# KiCad board Womo.kicad_pcb (continued)
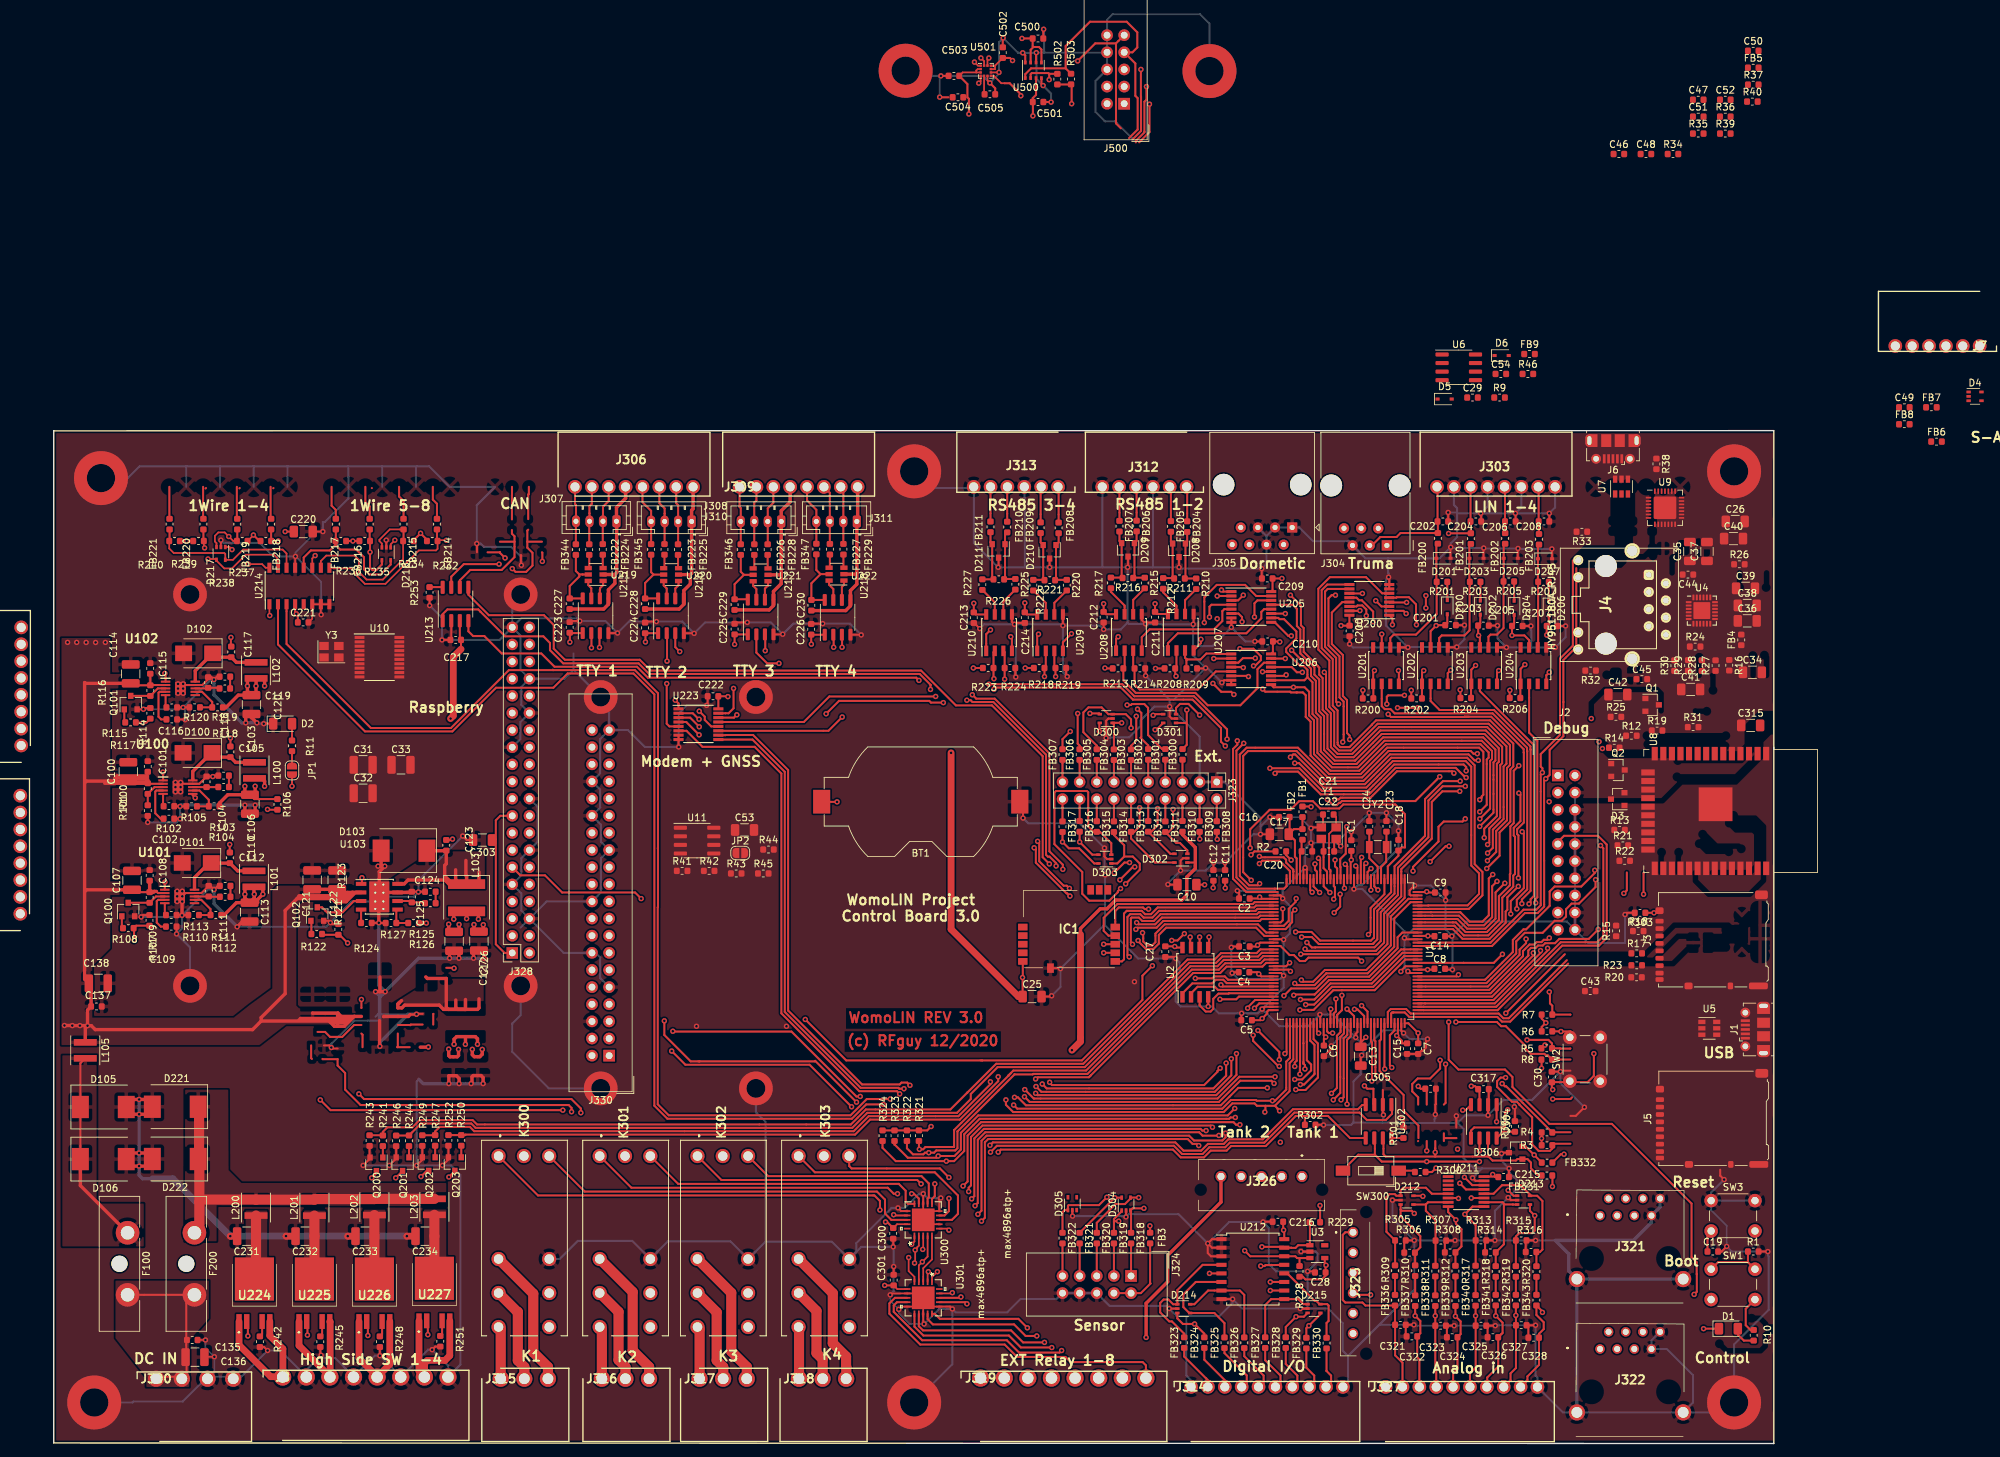
[diagram p0: board, top side]
## Nets (continued)
ESP_CAN_TX: U8.26 U304.1
ESP_DTR: Q2.3 R13.2 R15.2 R38.1
ESP_EN: C41.1 Q1.3 R25.2 U8.3
ESP_Enable: U1.48
ESP_GPIO0: D3.1 U8.25
ESP_Reset: U1.47
ESP_RTS: Q1.2 R12.2 R14.2 R35.1
ESP_RX: R37.1 U8.34
ESP_SD_CS: J3.1 R16.2 U8.9
ESP_SD_DI: J3.3 R18.2 U8.23
ESP_SD_DO: D3.2 R19.2 R23.2 U8.24
ESP_SD_SCLK: R22.2 U8.13
ESP_TX: R36.1 U8.35
G1: C227.1 J306.4 J307.1 U215.5 U219.2
G2: C228.1 J306.8 J308.1 U216.5 U220.2
G3: C229.1 J309.4 J310.1 U217.5 U221.2
G4: C230.1 J309.8 J311.1 U218.5 U222.2
HSS_1: J8.1 U224.1 U224.5
HSS_1_EN: R241.2 R243.1 U1.54
HSS_2: J8.3 U225.1 U225.5
HSS_2_EN: R244.2 R246.1 U1.55
HSS_3: J8.5 U226.1 U226.5
HSS_3_EN: R247.2 R249.1 U1.141
HSS_4: J8.7 U227.1 U227.5
HSS_4_EN: R250.2 R252.1 U1.142
I2C1_SCL: D4.4 D303.5 FB6.2 FB317.2 U1.129
I2C1_SDA: D4.3 D303.4 FB7.2 FB316.2 U1.128
I2C2_SCL: R228.2 U1.74 U3.1 U211.13 U212.14 U214.2
I2C2_SDA: R229.2 U1.75 U3.3 U211.14 U212.15 U214.3
I2C3_SCL: D304.5 FB321.1 J500.7 R503.2 U1.26 U500.4 U501.1
I2C3_SDA: D305.1 FB322.1 J500.9 R502.2 U1.27 U500.3 U501.4
INT_1_XL: D304.4 FB320.1 J500.5 U1.4 U501.12
INt_2_XL: D304.3 FB318.1 J500.1 U1.2 U501.11
INT_MAG_DRDY: D304.1 FB319.1 J500.3 U1.3 U501.7
IO_INT: U1.1 U212.13
JTAG_RES: J2.3 U1.134
JTAG_TCK: J2.9 U1.109
JTAG_TDI: J2.5 U1.110
JTAG_TDO: J2.13 U1.133
JTAG_TMS: J2.7 U1.105
K1_COM: J315.2 K300.11
K1_NC: J315.3 K300.12
K1_NO: J315.1 K300.14
K1_RESET: K300.A1 U300.17
K1_SET: K300.A2 U300.18
K1_STATUS: K300.21 R321.1 U1.56
K2_COM: J316.2 K301.11
K2_NC: J316.3 K301.12
K2_NO: J316.1 K301.14
K2_RESET: K301.A1 U300.14
K2_SET: K301.A2 U300.15
K2_STATUS: K301.21 R322.1 U1.57
K3_COM: J317.2 K302.11
K3_NC: J317.3 K302.12
K3_NO: J317.1 K302.14
K3_RESET: K302.A1 U300.11
K3_SET: K302.A2 U300.12
K3_STATUS: K302.21 R323.1 U1.87
K4_COM: J318.2 K303.11
K4_NC: J318.3 K303.12
K4_NO: J318.1 K303.14
K4_RESET: K303.A1 U300.8
K4_SET: K303.A2 U300.9
K4_STATUS: K303.21 R324.1 U1.88
LIN1: C202.1 FB200.1 J303.1
LIN2: C204.1 FB201.1 J303.3 J305.2
LIN3: C206.1 FB202.1 J303.5
LIN4: C208.1 FB203.1 J303.7
LIN5: C54.1 FB9.1 J304.3
LIN_SEL_A0: U1.123 U200.10
LIN_SEL_A1: U1.77 U200.9
LIN_SEL_EN: U1.78 U200.6
LPUART_RTS_DE_RS485: U1.73 U206.3
LPUART_RX_RS485: U1.69 U205.13
LPUART_TX_RS485: U1.70 U205.3
MDC(RMII): U4.11 U8.37
MDIO(RMII): R31.2 U4.10 U8.30
P0: D214.1 FB323.2 U212.4
P1: D214.3 FB324.2 U212.5
P2: D214.4 FB325.2 U212.6
P3: D214.5 FB326.2 U212.7
P4: D215.1 FB327.2 U212.9
P5: D215.3 FB328.2 U212.10
P6: D215.4 FB329.2 U212.11
P7: D215.5 FB330.2 U212.12
PF0: D301.1 FB300.2 U1.10
PF1: D301.3 FB301.2 U1.11
PF2: D301.4 FB302.2 U1.12
PF3: D301.5 FB303.2 U1.13
PF4: D300.1 FB304.2 U1.14
PF5: D300.3 FB305.2 U1.15
PF6: D300.4 FB306.2 U1.18
PF7: D300.5 FB307.2 U1.19
PF8: D302.3 FB311.2 U1.20
PF9: D302.4 FB312.2 U1.21
PF10: D302.5 FB313.2 U1.22
PF11: D303.1 FB314.2 U1.49
PF12: D303.3 FB315.2 U1.50
PWR_Reset: R2.1 R106.2 U100.6
QSPI_CLK: U1.63 U2.6
QSPI_D0: U1.65 U2.5
QSPI_D1: U1.66 U2.2
QSPI_D2: U1.67 U2.3
QSPI_D3: U1.68 U2.7
QSPI_NCS: U1.64 U2.1
Rasp_down: R41.2 U1.122
Rasp_Shutdown: R42.2 U1.119
RASPI_3V3: C52.2 C53.1 C303.1 J328.1 J328.17 J330.1 J330.17 R43.1 R44.1 R45.1 U10.20 U11.8
RASPI_GPIO2_SDA: J328.3 J330.3
RASPI_GPIO3_SCL: J328.5 J330.5
RASPI_GPIO4_GCLK0: J328.7 J330.7
RASPI_GPIO5_GCLK1: J328.29 J330.29
RASPI_GPIO6_GCLK2: J328.31 J330.31
RASPI_GPIO7_CE1: J328.26 J330.26
RASPI_GPIO8_CE0: J328.24 J330.24 U10.18
RASPI_GPIO9_MISO0: J328.21 J330.21 U10.17
RASPI_GPIO10_MOSI0: J328.19 J330.19 U10.16
RASPI_GPIO11_SCLK0: J328.23 J330.23 U10.14
RASPI_GPIO12_PWM0: J328.32 J330.32 R41.1
RASPI_GPIO13_PWM1: J328.33 J330.33 R42.1
RASPI_GPIO16: J328.36 J330.36
RASPI_GPIO18_PWM0: J328.12 J330.12
RASPI_GPIO19_MISO1: J328.35 J330.35
RASPI_GPIO20_MOSI1: J328.38 J330.38
RASPI_GPIO21_SCLK1: J328.40 J330.40
RASPI_GPIO22: J328.15 J330.15
RASPI_GPIO23: J328.16 J330.16
RASPI_GPIO24: J328.18 J330.18
RASPI_GPIO25: J328.22 J330.22 U10.13
RASPI_GPIO26: J328.37 J330.37
RASPI_GPIO27: J328.13 J330.13
RASPI_ID_SC: J328.28 J330.28 R44.2 U11.6
RASPI_ID_SD: J328.27 J330.27 R45.2 U11.5
RASPI_RX_CTRL: J328.8
RASPI_TX_CTRL: J328.10
RE_RS485: U1.76 U206.13
RE_RS485_1: R208.2 U206.12 U207.2
RE_RS485_2: R213.2 U206.14 U208.2
RE_RS485_3: R218.2 U206.15 U209.2
RE_RS485_4: R223.2 U206.11 U210.2
REL1: J319.1 U301.18
REL1_RESET: U1.93 U300.1
REL2: J319.2 U301.17
REL2_RESET: U1.132 U301.1
REL3: J319.3 U301.15
REL4: J319.4 U301.14
REL5: J319.5 U301.12
REL6: J319.6 U301.11
REL7: J319.7 U301.9
REL8: J319.8 U301.8
RESET: C19.1 R2.2 SW3.2 U1.25
RJ45_LED0: R32.1 U4.23
RJ45_LED1: R33.1 U8.28
RS485_1_A: FB204.1 J312.1
RS485_1_B: FB205.1 J312.2
RS485_2_A: FB206.1 J312.4
RS485_2_B: FB207.1 J312.5
RS485_3_A: FB208.1 J313.1
RS485_3_B: FB209.1 J313.2
RS485_4_A: FB210.1 J313.4
RS485_4_B: FB211.1 J313.5
RS485_SEL_A0: U1.82 U205.10 U206.10
RS485_SEL_A1: U1.85 U205.9 U206.9
RS485_SEL_EN: U1.86 U205.6 U206.6
RX_LIN1: R200.2 U200.12 U201.1
RX_LIN2: R202.2 U200.14 U202.1
RX_LIN3: R204.2 U200.15 U203.1
RX_LIN4: R206.2 U200.11 U204.1
RX_RS485_1: U205.12 U207.1
RX_RS485_2: U205.14 U208.1
RX_RS485_3: U205.15 U209.1
RX_RS485_4: U205.11 U210.1
RX_SER_1: U215.3 U223.12
RX_SER_2: U216.3 U223.14
RX_SER_3: U217.3 U223.15
RX_SER_4: U218.3 U223.11
RXM: J4.6 U4.3
RXP: J4.7 U4.4
SER_SEL_A0: U1.79 U223.10
SER_SEL_A1: U1.80 U223.9
SER_SEL_EN: U1.81 U223.6
Signal_LED: D1.1 U1.46
SLP-LIN1: U1.89 U201.2
SLP-LIN2: U1.90 U202.2
SLP-LIN3: U1.91 U203.2
SLP-LIN4: U1.92 U204.2
SLP-LIN5: U1.101 U6.2
SPI1_MISO: IC1.8 U1.42
SPI1_MOSI: IC1.9 U1.43
SPI1_NSS: IC1.10 U1.40
SPI1_SCK: IC1.7 U1.41
SPI2_MISO: U1.117
SPI2_MOSI: U1.118
SPI2_NSS: U1.114
SPI2_SCK: U1.115
SPI3_MISO: U1.125 U301.5
SPI3_MOSI: U1.126 U300.3
SPI3_NSS: U1.127 U300.2 U301.2
SPI3_SCK: U1.124 U300.4 U301.4
SPI3_SOSI: U300.5 U301.3
STB-CAN: U1.96 U213.5
STB_RASPI_CTRL: J328.11 J330.11
TTY_RX_1: FB224.1 J306.2 J307.3
TTY_RX_2: FB225.1 J306.6 J308.3
TTY_RX_3: FB228.1 J309.2 J310.3
TTY_RX_4: FB229.1 J309.6 J311.3
TTY_TX_1: FB222.1 J306.3 J307.2
TTY_TX_2: FB223.1 J306.7 J308.2
TTY_TX_3: FB226.1 J309.3 J310.2
TTY_TX_4: FB227.1 J309.7 J311.2
TX_LIN1: U200.1 U201.4
TX_LIN2: U200.5 U202.4
TX_LIN3: U200.2 U203.4
TX_LIN4: U200.4 U204.4
TX_RS485_1: U205.1 U207.4
TX_RS485_2: U205.5 U208.4
TX_RS485_3: U205.2 U209.4
TX_RS485_4: U205.4 U210.4
TX_SER_1: U215.2 U223.1
TX_SER_2: U216.2 U223.5
TX_SER_3: U217.2 U223.2
TX_SER_4: U218.2 U223.4
TXM: J4.2 U4.5
TXP: J4.1 U4.6
UART4_RX_GSM: J330.10 U1.35
UART4_TX_GSM: J330.8 U1.34
USART1_RX_LIN5: U1.137 U6.4
USART1_TX_LIN5: R9.2 U1.136 U6.1
USART2_RX_LIN: U1.37 U200.13
USART2_TX_LIN: U1.36 U200.3
USART3_RX_SER: U1.45 U223.13
USART3_TX_SER: U1.44 U223.3
USB_D+: U1.104 U5.3
USB_D-: U1.103 U5.1
USB_ID: J1.4 U1.102
USB_SOF: U1.100
uSD_CLK: J5.5 U1.113
uSD_CMD: J5.3 R5.2 U1.116
uSD_D0: J5.7 R4.2 U1.98
uSD_D1: J5.8 R3.2 U1.99
uSD_D2: J5.1 R7.2 U1.111
uSD_D3: J5.2 R6.2 U1.112
uSD_Detect: U1.7
V+_TTY1: C227.2 FB344.2 U215.8 U219.5
V+_TTY2: C228.2 FB345.2 U216.8 U220.5
V+_TTY3: C229.2 FB346.2 U217.8 U221.5
V+_TTY4: C230.2 FB347.2 U218.8 U222.5
VBB_1: C231.1 L200.1 U224.3
VBB_2: C232.1 L201.1 U225.3
VBB_3: C233.1 L202.1 U226.3
VBB_4: C234.1 L203.1 U227.3
Net-(BT1-Pad1): BT1.1 C18.1 U1.6
Net-(C16-Pad2): C16.2 C17.2 FB1.1 FB2.1 U1.33
Net-(C20-Pad1): C20.1 FB1.2 U1.32
Net-(C21-Pad1): C21.1 U1.23 Y1.1
Net-(C22-Pad1): C22.1 U1.24 Y1.3
Net-(C23-Pad2): C23.2 U1.8 Y2.1
Net-(C24-Pad2): C24.2 U1.9 Y2.2
Net-(C35-Pad1): C35.1 C37.1 U4.1
Net-(C36-Pad1): C36.1 C38.1 FB4.2 U4.2
Net-(C43-Pad1): C43.1 SW2.1 U8.7
Net-(C44-Pad2): C44.2 J4.3
Net-(C45-Pad2): C45.2 J4.5
Net-(C46-Pad1): C46.1 FB5.1 J6.1 U7.5
Net-(C47-Pad2): C47.2 FB5.2 U9.7 U9.8
Net-(C50-Pad1): C50.1 U10.8 Y3.1
Net-(C51-Pad1): C51.1 U10.9 Y3.3
Net-(C102-Pad1): C102.1 U100.4
Net-(C103-Pad1): C103.1 D100.1 L100.1 U100.10
Net-(C103-Pad2): C103.2 U100.1
Net-(C104-Pad2): C104.2 R103.1 U100.8
Net-(C105-Pad2): C105.2 R103.2
Net-(C109-Pad1): C109.1 U101.4
Net-(C110-Pad1): C110.1 D101.1 L101.1 U101.10
Net-(C110-Pad2): C110.2 U101.1
Net-(C111-Pad2): C111.2 R111.1 U101.8
Net-(C112-Pad2): C112.2 R111.2
Net-(C116-Pad1): C116.1 U102.4
Net-(C117-Pad1): C117.1 D102.1 L102.1 U102.10
Net-(C117-Pad2): C117.2 U102.1
Net-(C118-Pad2): C118.2 R118.1 U102.8
Net-(C119-Pad2): C119.2 R118.2
Net-(C123-Pad1): C123.1 D103.1 L103.1 U103.8
Net-(C123-Pad2): C123.2 U103.1
Net-(C124-Pad1): C124.1 R125.2
Net-(C125-Pad1): C125.1 R125.1 U103.6
Net-(C321-Pad1): C321.1 FB336.1 J325.1 J327.2
Net-(C322-Pad1): C322.1 FB337.1 J325.2 J327.3
Net-(C323-Pad1): C323.1 FB338.1 J325.3 J327.4
Net-(C324-Pad1): C324.1 FB339.1 J325.4 J327.5
Net-(C325-Pad1): C325.1 FB340.1 J326.1 J327.6
Net-(C326-Pad1): C326.1 FB341.1 J326.2 J327.7
Net-(C327-Pad1): C327.1 FB342.1 J326.3 J327.8
Net-(C328-Pad1): C328.1 FB343.1 J326.4 J327.9
Net-(C505-Pad1): C505.1 U501.5
Net-(D1-Pad2): D1.2 R10.2
Net-(D2-Pad2): D2.2 R11.2
Net-(D3-Pad3): D3.3 R21.1
Net-(D4-Pad5): D4.5
Net-(D5-Pad1): D5.1 R46.1
Net-(D6-Pad1): D6.1 FB9.2 R46.2 U6.6
Net-(D105-Pad1): D105.1 D106.1 F100.1 L105.2
Net-(D200-Pad1): D200.1 R201.1
Net-(D201-Pad1): D201.1 FB200.2 R201.2 U201.6
Net-(D202-Pad1): D202.1 R203.1
Net-(D203-Pad1): D203.1 FB201.2 R203.2 U202.6
Net-(D204-Pad1): D204.1 R205.1
Net-(D205-Pad1): D205.1 FB202.2 R205.2 U203.6
Net-(D206-Pad1): D206.1 R207.1
Net-(D207-Pad1): D207.1 FB203.2 R207.2 U204.6
Net-(D208-Pad1): D208.1 FB204.2 R210.1 R211.1
Net-(D208-Pad2): D208.2 FB205.2 R211.2 R212.1
Net-(D209-Pad1): D209.1 FB206.2 R215.1 R216.1
Net-(D209-Pad2): D209.2 FB207.2 R216.2 R217.1
Net-(D210-Pad1): D210.1 FB208.2 R220.1 R221.1
Net-(D210-Pad2): D210.2 FB209.2 R221.2 R222.1
Net-(D211-Pad1): D211.1 FB210.2 R225.1 R226.1
Net-(D211-Pad2): D211.2 FB211.2 R226.2 R227.1
Net-(D217-Pad1): D217.1 FB218.2 R237.2 U214.1
Net-(D217-Pad3): D217.3 FB219.2 R238.2 U214.16
Net-(D217-Pad4): D217.4 FB220.2 R239.2 U214.15
Net-(D217-Pad5): D217.5 FB221.2 R240.2 U214.14
Net-(D218-Pad1): D218.1 FB214.2 R232.2 U214.9
Net-(D218-Pad3): D218.3 FB215.2 R234.2 U214.10
Net-(D218-Pad4): D218.4 FB216.2 R235.2 U214.11
Net-(D218-Pad5): D218.5 FB217.2 R236.2 U214.12
Net-(D221-Pad1): D221.1 D222.1 F200.1 L200.2 L201.2 L202.2 L203.2
Net-(D305-Pad3): D305.3
Net-(D305-Pad4): D305.4
Net-(D305-Pad5): D305.5
Net-(FB3-Pad1): FB3.1 J324.2 J324.4
Net-(FB6-Pad1): FB6.1 J7.5
Net-(FB7-Pad1): FB7.1 J7.4
Net-(FB8-Pad1): FB8.1 J7.2 J7.3
Net-(FB222-Pad2): FB222.2 U219.6
Net-(FB223-Pad2): FB223.2 U220.6
Net-(FB224-Pad2): FB224.2 U219.4
Net-(FB225-Pad2): FB225.2 U220.4
Net-(FB226-Pad2): FB226.2 U221.6
Net-(FB227-Pad2): FB227.2 U222.6
Net-(FB228-Pad2): FB228.2 U221.4
Net-(FB229-Pad2): FB229.2 U222.4
Net-(FB300-Pad1): FB300.1 J323.5
Net-(FB301-Pad1): FB301.1 J323.7
Net-(FB302-Pad1): FB302.1 J323.9
Net-(FB303-Pad1): FB303.1 J323.11
Net-(FB304-Pad1): FB304.1 J323.13
Net-(FB305-Pad1): FB305.1 J323.15
Net-(FB306-Pad1): FB306.1 J323.17
Net-(FB307-Pad1): FB307.1 J323.19
Net-(FB308-Pad1): FB308.1 J323.2
Net-(FB309-Pad1): FB309.1 J323.4
Net-(FB310-Pad1): FB310.1 J323.6
Net-(FB311-Pad1): FB311.1 J323.8
Net-(FB312-Pad1): FB312.1 J323.10
Net-(FB313-Pad1): FB313.1 J323.12
Net-(FB314-Pad1): FB314.1 J323.14
Net-(FB315-Pad1): FB315.1 J323.16
Net-(FB316-Pad1): FB316.1 J323.18
Net-(FB317-Pad1): FB317.1 J323.20
Net-(FB318-Pad2): FB318.2 J324.1
Net-(FB319-Pad2): FB319.2 J324.3
Net-(FB320-Pad2): FB320.2 J324.5
Net-(FB321-Pad2): FB321.2 J324.7
Net-(FB322-Pad2): FB322.2 J324.9
Net-(FB323-Pad1): FB323.1 J314.2
Net-(FB324-Pad1): FB324.1 J314.3
Net-(FB325-Pad1): FB325.1 J314.4
Net-(FB326-Pad1): FB326.1 J314.5
Net-(FB327-Pad1): FB327.1 J314.6
Net-(FB328-Pad1): FB328.1 J314.7
Net-(FB329-Pad1): FB329.1 J314.8
Net-(FB330-Pad1): FB330.1 J314.9
Net-(FB336-Pad2): FB336.2 R309.1
Net-(FB337-Pad2): FB337.2 R310.1
Net-(FB338-Pad2): FB338.2 R311.1
Net-(FB339-Pad2): FB339.2 R312.1
Net-(FB340-Pad2): FB340.2 R317.1
Net-(FB341-Pad2): FB341.2 R318.1
Net-(FB342-Pad2): FB342.2 R319.1
Net-(FB343-Pad2): FB343.2 R320.1
Net-(FB344-Pad1): FB344.1 J306.1 J307.4
Net-(FB345-Pad1): FB345.1 J306.5 J308.4
Net-(FB346-Pad1): FB346.1 J309.1 J310.4
Net-(FB347-Pad1): FB347.1 J309.5 J311.4
Net-(IC1-Pad1): IC1.1
Net-(IC1-Pad2): IC1.2
Net-(IC1-Pad3): IC1.3
Net-(IC1-Pad4): IC1.4
Net-(IC1-Pad12): IC1.12
Net-(IC1-Pad13): IC1.13
Net-(IC1-Pad14): IC1.14
Net-(J1-Pad1): J1.1 U5.5
Net-(J1-Pad2): J1.2 U5.6
Net-(J1-Pad3): J1.3 U5.4
Net-(J2-Pad11): J2.11
Net-(J2-Pad15): J2.15
Net-(J2-Pad17): J2.17
Net-(J2-Pad19): J2.19
Net-(J3-Pad2): J3.2 R17.2
Net-(J3-Pad5): J3.5 R22.1
Net-(J3-Pad7): J3.7 R23.1
Net-(J3-Pad8): J3.8 R20.2
Net-(J3-Pad9): J3.9
Net-(J3-Pad10): J3.10
Net-(J4-Pad9): J4.9 R33.2
Net-(J4-Pad12): J4.12 R32.2
Net-(J5-Pad10): J5.10 R8.2
Net-(J6-Pad2): J6.2 U7.6
Net-(J6-Pad3): J6.3 U7.4
Net-(J6-Pad4): J6.4
Net-(J304-Pad1): J304.1
Net-(J304-Pad2): J304.2
Net-(J304-Pad4): J304.4
Net-(J304-Pad6): J304.6
Net-(J305-Pad6): J305.6
Net-(J305-Pad7): J305.7
Net-(J305-Pad8): J305.8
Net-(J321-Pad3): J321.3
Net-(J321-Pad6): J321.6
Net-(J322-Pad3): J322.3
Net-(J322-Pad6): J322.6
Net-(J325-Pad6): J325.6
Net-(JP1-Pad2): JP1.2 R11.1
Net-(JP2-Pad1): JP2.1 R43.2 U11.7
Net-(K300-Pad24): K300.24
Net-(K301-Pad24): K301.24
Net-(K302-Pad24): K302.24
Net-(K303-Pad24): K303.24
Net-(Q1-Pad1): Q1.1 R15.1
Net-(Q2-Pad1): Q2.1 R14.1
Net-(Q2-Pad2): Q2.2 R21.2
Net-(Q100-Pad1): Q100.1 R108.1
Net-(Q100-Pad3): Q100.3 R109.2 U101.3
Net-(Q101-Pad1): Q101.1 R115.1
Net-(Q101-Pad3): Q101.3 R116.2 U102.3
Net-(Q102-Pad1): Q102.1 R122.1
Net-(Q102-Pad3): Q102.3 R123.2 U103.3
Net-(Q200-Pad1): Q200.1 R241.1
Net-(Q200-Pad3): Q200.3 U224.2
Net-(Q201-Pad1): Q201.1 R244.1
Net-(Q201-Pad3): Q201.3 U225.2
Net-(Q202-Pad1): Q202.1 R247.1
Net-(Q202-Pad3): Q202.3 U226.2
Net-(Q203-Pad1): Q203.1 R250.1
Net-(Q203-Pad3): Q203.3 U227.2
Net-(R24-Pad1): R24.1 U4.9
Net-(R26-Pad2): R26.2 U8.27
Net-(R27-Pad1): R27.1 U8.31
Net-(R28-Pad1): R28.1 U8.36
Net-(R29-Pad1): R29.1 U8.10
Net-(R30-Pad1): R30.1 U8.11
Net-(R34-Pad1): R34.1 U9.9
Net-(R35-Pad2): R35.2 U9.24
Net-(R36-Pad2): R36.2 U9.25
Net-(R37-Pad2): R37.2 U9.26
Net-(R38-Pad2): R38.2 U9.28
Net-(R40-Pad2): R40.2 U10.12
Net-(R100-Pad2): R100.2 R101.1 U100.3
Net-(R102-Pad1): R102.1 U100.5
Net-(R104-Pad2): R104.2 R105.1 U100.7
Net-(R110-Pad1): R110.1 U101.5
Net-(R112-Pad2): R112.2 R113.1 U101.7
Net-(R117-Pad1): R117.1 U102.5
Net-(R119-Pad2): R119.2 R120.1 U102.7
Net-(R124-Pad2): R124.2 U103.4
Net-(R126-Pad2): R126.2 R127.1 U103.5
Net-(R210-Pad2): R210.2 U207.6
Net-(R212-Pad2): R212.2 U207.7
Net-(R215-Pad2): R215.2 U208.6
Net-(R217-Pad2): R217.2 U208.7
Net-(R220-Pad2): R220.2 U209.6
Net-(R222-Pad2): R222.2 U209.7
Net-(R225-Pad2): R225.2 U210.6
Net-(R227-Pad2): R227.2 U210.7
Net-(R242-Pad2): R242.2 U224.4
Net-(R245-Pad2): R245.2 U225.4
Net-(R248-Pad2): R248.2 U226.4
Net-(R251-Pad2): R251.2 U227.4
Net-(R253-Pad1): R253.1 U213.8
Net-(R300-Pad2): R300.2 SW300.1
Net-(R301-Pad1): R301.1 U302.8
Net-(R302-Pad1): R39.2 R40.1 R302.1 U302.5
Net-(R304-Pad1): R304.1 U304.8
Net-(U3-Pad5): U3.5
Net-(U4-Pad7): U4.7
Net-(U4-Pad16): U4.16
Net-(U4-Pad17): U4.17
Net-(U4-Pad18): U4.18
Net-(U4-Pad24): U4.24
Net-(U6-Pad3): U6.3
Net-(U6-Pad8): U6.8
Net-(U7-Pad1): U7.1 U9.5
Net-(U7-Pad3): U7.3 U9.4
Net-(U8-Pad4): U8.4
Net-(U8-Pad5): U8.5
Net-(U8-Pad6): U8.6
Net-(U8-Pad8): U8.8
Net-(U8-Pad14): U8.14
Net-(U8-Pad17): U8.17
Net-(U8-Pad18): U8.18
Net-(U8-Pad19): U8.19
Net-(U8-Pad20): U8.20
Net-(U8-Pad21): U8.21
Net-(U8-Pad22): U8.22
Net-(U8-Pad32): U8.32
Net-(U9-Pad1): U9.1
Net-(U9-Pad2): U9.2
Net-(U9-Pad10): U9.10
Net-(U9-Pad11): U9.11
Net-(U9-Pad12): U9.12
Net-(U9-Pad13): U9.13
Net-(U9-Pad14): U9.14
Net-(U9-Pad15): U9.15
Net-(U9-Pad16): U9.16
Net-(U9-Pad17): U9.17
Net-(U9-Pad18): U9.18
Net-(U9-Pad19): U9.19
Net-(U9-Pad20): U9.20
Net-(U9-Pad21): U9.21
Net-(U9-Pad22): U9.22
Net-(U9-Pad23): U9.23
Net-(U9-Pad27): U9.27
Net-(U10-Pad1): U10.1 U302.1
Net-(U10-Pad2): U10.2 U302.4
Net-(U10-Pad3): U10.3
Net-(U10-Pad4): U10.4
Net-(U10-Pad5): U10.5
Net-(U10-Pad6): U10.6
Net-(U10-Pad7): U10.7
Net-(U10-Pad11): U10.11
Net-(U10-Pad15): U10.15
Net-(U10-Pad19): U10.19
Net-(U101-Pad6): U101.6
Net-(U102-Pad6): U102.6
Net-(U201-Pad3): U201.3
Net-(U201-Pad8): U201.8
Net-(U202-Pad3): U202.3
Net-(U202-Pad8): U202.8
Net-(U203-Pad3): U203.3
Net-(U203-Pad8): U203.8
Net-(U204-Pad3): U204.3
Net-(U204-Pad8): U204.8
Net-(U211-Pad1): U211.1
Net-(U211-Pad2): U211.2
Net-(U211-Pad3): U211.3
Net-(U211-Pad4): U211.4
Net-(U214-Pad5): U214.5
Net-(U215-Pad6): U215.6 U219.3
Net-(U215-Pad7): U215.7 U219.1
Net-(U216-Pad6): U216.6 U220.3
Net-(U216-Pad7): U216.7 U220.1
Net-(U217-Pad6): U217.6 U221.3
Net-(U217-Pad7): U217.7 U221.1
Net-(U218-Pad6): U218.6 U222.3
Net-(U218-Pad7): U218.7 U222.1
Net-(U300-Pad20): U300.20
Net-(U301-Pad20): U301.20

Pads without a net: J4 4

## Via types
v1: diameter 8, hole 4.2, Top to Bottom, 8 vias
v2: diameter 5, hole 2.8, Top to Bottom, 8 vias
v3: diameter 0.8, hole 0.4, Top to Bottom, 816 vias

## Routing (per net, layer and track width the routed paths; a pad name or vN(x,y) marks a point on that pad's centre or on a via; arc(x,y) is an arc through that point)
3VA_EN: length 267.7
  Top w0.3: 137.59,56.78 152.36,56.78 161.32,65.74 161.32,69.33 v3(162.8,70.81) ; 137.59,56.78 117.43,56.78 v3(111.36,62.84) ; 137.59,56.78 137.33,56.78 ; R115.2 v3(13.21,106.81) 13.76,106.87 R114.1 ; v3(184.02,75.82) 186.37,75.82 187.66,74.53 195.18,74.53 195.58,74.93 195.64,74.93 195.64,79.16 198.18,81.7 198.18,83.68
  In1.Cu w0.3: v3(184.02,75.82) 183.4,76.44 173.99,76.44 173.98,76.45 173.86,76.45 173.85,76.44 173.75,76.44 172.37,77.82 164.34,77.82 164.34,76.63 162.8,75.1 v3(162.8,70.81) ; v3(13.21,106.81) 13.07,106.67 13.07,79.27 12.2,78.4 12.2,77.71 13.07,76.84 13.07,63.03 19.46,56.64 34.89,56.64 40.74,50.8 63.73,50.8 68.91,55.98 90.81,55.98 97.68,62.84 v3(111.36,62.84)
5V_EN: length 202.1
  Top w0.3: 153.7,54.58 168.84,69.73 172.86,69.73 173.8,70.68 179.1,70.68 179.66,71.23 180.73,71.23 ; 153.7,54.58 153.44,54.33 ; 153.7,54.58 153.39,54.28 145.85,54.28 145.6,54.03 v3(145.5,54.03) ; v3(75.44,49.4) 41.02,49.4 v3(39.5,50.93) ; v3(11.9,74.61) 11.9,76.31 R108.2 12.21,76.75 R107.1
  In1.Cu w0.3: v3(39.5,50.93) 34.43,56 18.81,56 11.9,62.9 v3(11.9,74.61) ; v3(75.44,49.4) 77.09,47.75 111.63,47.75 117.72,53.84 137.92,53.84 139.19,55.11 144.42,55.11 v3(145.5,54.03)
5V_GSM_EN: length 170.5
  Top w0.3: 180.73,70.23 183.01,70.23 v3(183.26,69.98) ; v3(173.73,56.38) 173.73,54.51 171.84,52.63 147.14,52.63 v3(146.48,53.28) ; v3(76.73,49.17) 76.73,49.74 76.3,50.16 45.47,50.16 43.18,52.45 43.18,54.9 42.06,56.02 42.06,56.96 39.87,56.96 39.83,57
  In1.Cu w0.3: v3(76.73,49.17) 77.65,48.25 111.43,48.25 117.51,54.34 137.71,54.34 138.98,55.61 145.94,55.61 146.48,55.07 v3(146.48,53.28) ; v3(183.26,69.98) 182.86,70.38 182.14,70.38 178.29,66.53 176.28,66.53 174.26,64.52 174.26,60.07 173.67,59.48 173.67,56.45 v3(173.73,56.38)
5V_Raspi_EN: length 187.3
  Top w0.3: v3(43.55,74.18) 42.33,75.4 R121.1 39.87,75.4 R122.2 ; v3(183.13,71.25) 182.62,70.73 180.73,70.73 ; v3(78.11,49.02) 78.11,49.66 76.71,51.05 45.97,51.05 v3(45.21,51.82) ; v3(147.57,53.53) 147.7,53.4 147.7,53.34 147.92,53.13 170.47,53.13 172.45,55.1 172.45,55.23 v3(172.85,55.63)
  In1.Cu w0.3: v3(172.85,55.63) 172.72,55.75 172.72,57.53 173.17,57.97 173.1,58.04 173.1,59.62 173.74,60.25 173.74,64.7 176.07,67.03 178.08,67.03 182.3,71.25 v3(183.13,71.25) ; v3(43.55,74.18) 43.55,58.15 45.21,56.48 v3(45.21,51.82) ; v3(78.11,49.02) 78.38,48.75 111.22,48.75 117.3,54.84 137.51,54.84 138.78,56.11 146.46,56.11 147.57,54.99 v3(147.57,53.53)
+3.3VA: length 737.5
  Top w0.25: 136.7,203.2 134.68,203.2 C503.1 ; 136.7,203.2 U501.3 ; 136.7,203.2 136.7,203.49 136.91,203.7 U501.2 ; v3(29.59,134.65) 29.59,134.63 R238.1 ; U501.10 139.48,204.2 ; 139.48,204.2 C502.1 ; 139.48,204.2 139.48,203.7 139.48,203.7 U501.9 ; C301.2 125,22.89 U301.6 ; v3(133.16,22.35) 133.05,22.24 U301.19 ; C300.2 124.97,32.5 U300.19 ; R240.1 v3(19.69,133.76) ; U300.6 132.43,31.85 v3(132.65,31.62)
  Top w0.3: v3(220.98,59.06) 220.5,58.57 R5.1 ; v3(228.22,57.78) 228.22,54.48 227.29,53.56 222.02,53.56 C30.2 222,52.58 v3(222.12,52.45) ; v3(162.43,32.26) 162.46,32.23 FB3.2 ; R213.1 155.83,114.87 v3(155.77,114.94) ; R7.1 220.49,62.98 v3(221.11,62.36) 220.49,61.73 R6.1 ; v3(150.84,198.56) 150.84,201.35 R503.1 150.74,201.42 R502.1 ; v3(143.47,208.24) 145.05,208.24 C500.1 145.06,207.09 145.17,206.97 ; v3(130.01,46.98) 129.43,46.41 R321.2 R322.2 R323.2 R324.2 ; U206.16 180.66,117.3 C210.1 181.61,118.87 v3(181.67,118.81) ; v3(169.82,89.58) 169.8,89.6 FB309.2 ; v3(163.2,124.46) C211.2 163.51,122.94 U207.8 ; U223.16 98.48,110.74 C222.1 99.85,110.74 v3(99.9,110.69) ; R232.1 55.3,133.96 v3(54.36,134.9) 53.34,133.89 R234.1 ; v3(29.59,134.65) 30.48,133.76 R237.1 ; C216.2 182.18,31.69 v3(182.25,31.62) 182.34,31.53 U212.16 ; IC1.5 143.6,69.1 v3(143.56,69.06) 143.58,69.04 C25.1 ; R3.1 220.47,44.21 v3(220.47,45.21) 220.49,45.22 R4.1 ; U216.1 87.64,120.1 C224.1 87.68,120.04 v3(87.68,118.8) ; U215.1 76.52,120.11 C223.1 76.48,120.14 v3(76.48,118.77) ; U500.6 144.76,206.56 145.17,206.97 ; U217.1 100.89,119.92 C225.1 v3(100.89,118.44) ; 145.17,206.97 145.99,206.97 146.36,206.6 U500.8 ; U200.16 192,121.24 192.02,121.21 190.77,121.21 v3(190.75,121.22) ; C503.1 135.39,201.48 135.39,199.52 135.61,199.29 v3(135.61,197.04) ; v3(155.58,124.46) C212.2 155.92,122.91 U208.8 ; v3(142.08,204.97) 141.7,205.35 C502.1 ; U209.8 144.21,122.87 C214.2 v3(143.89,124.59) ; U218.1 112.26,119.87 C226.1 112.24,118.49 v3(112.27,118.47) ; R235.1 v3(44.32,133.76) R236.1 ; U214.4 35.77,123.14 v3(35.94,122.96) 36.17,122.73 C221.1 ; R229.1 187.66,35.27 v3(187.64,35.28) ; C220.1 v3(34.29,135.15) ; v3(136.34,124.52) C213.2 136.64,122.87 U210.8 ; U211.16 214,39.56 C215.2 213.62,39.5 v3(213.23,39.88) ; R208.1 v3(163.26,114.87) ; R223.1 v3(136.27,114.94) ; U500.2 145.56,199.88 145.07,199.39 C501.1 145.1,198.79 v3(145.1,196.76) ; U205.16 180.61,126.46 C209.1 v3(181.99,128.21) ; U3.4 188.34,26.6 v3(188.53,26.42) 188.47,26.35 C28.1 188.47,24.87 187.92,24.32 185.49,24.32 185.08,24.73 R228.1 ; R239.1 v3(19.69,133.76) ; C301.2 v3(123.13,23.43) ; R218.1 v3(143.96,114.94) ; v3(123.25,32.83) 123.5,32.83 C300.2
  Top w0.5: L102.2 28.72,113.4 28.7,113.39 v3(28.7,112.27) 28.7,111.51 C120.1 ; L102.2 29.99,112.28 v3(29.97,112.27) 29.97,111.25 29.63,110.91 C120.1 ; L102.2 30.98,113.4 31.24,113.13 v3(31.24,112.27) ; C120.1 27.35,110.91 25.53,109.09 R119.1
  Top w1: C25.1 142.95,66.24 132.97,76.22 v3(132.97,102.36)
  In2.Cu w0.25: v3(29.59,134.65) 29.59,134.9 28.32,136.17 22.1,136.17 v3(19.69,133.76)
  In2.Cu w0.3: v3(188.53,26.42) 189.76,26.42 190.35,27 190.35,32.51 v3(187.64,35.28) 187.57,35.29 ; v3(136.27,114.94) 136.27,120.08 136.34,120.14 v3(136.34,124.52) 136.4,124.59 v3(143.89,124.59) 144.02,124.46 v3(155.58,124.46) v3(163.2,124.46) 166.94,128.21 180.6,128.21 ; v3(136.27,114.94) v3(143.96,114.94) v3(155.77,114.94) 155.83,114.87 v3(163.26,114.87) 166.11,112.03 166.11,109.39 168.6,106.9 168.6,94.93 169.82,93.71 v3(169.82,89.58) ; v3(136.27,114.94) 134.6,116.61 114.12,116.61 v3(112.27,118.47) 112.24,118.44 v3(100.89,118.44) ; 140.34,31.62 v3(132.65,31.62) 124.46,31.62 v3(123.25,32.83) 123.13,32.7 v3(123.13,23.43) 124.71,23.43 125.79,22.35 v3(133.16,22.35) ; 140.34,31.62 v3(182.25,31.62) 183.9,31.62 187.57,35.29 ; 140.34,31.62 140.34,36.83 130.59,46.58 130.41,46.58 v3(130.01,46.98) ; 213.23,43.05 212.17,44.12 208.52,44.12 v3(208.03,43.62) 206.38,43.62 205.36,44.64 196.91,44.64 187.57,35.29 ; 213.23,43.05 215.39,45.21 v3(220.47,45.21) 222.87,47.61 222.87,51.7 v3(222.12,52.45) ; 213.23,43.05 v3(213.23,39.88) ; v3(99.9,110.69) 99.9,117.45 v3(100.89,118.44) ; v3(44.32,133.76) 44.32,135.28 ; 44.32,135.28 44.34,135.3 53.96,135.3 v3(54.36,134.9) 55.73,136.27 ; 44.32,135.28 42.42,137.19 36.32,137.19 v3(34.29,135.15) ; v3(220.98,59.06) 220.98,62.23 v3(221.11,62.36) 223.65,62.36 v3(228.22,57.78) ; 180.6,128.21 180.6,119.89 v3(181.67,118.81) 187.78,118.81 190.19,121.22 v3(190.75,121.22) 195.26,116.71 224.54,116.71 ; 180.6,128.21 v3(181.99,128.21) ; v3(100.89,118.44) 88.04,118.44 v3(87.68,118.8) 76.51,118.8 v3(76.48,118.77) ; v3(34.29,135.15) 30.1,135.15 v3(29.59,134.65) ; v3(34.29,135.15) 34.29,124.61 v3(35.94,122.96) 33.91,122.96
  In2.Cu w1: 159.68,192.77 156.08,196.37 J500.2 ; J500.4 J500.2 ; J500.2 v3(150.84,198.56) 149.04,196.76 v3(145.1,196.76) 144.53,196.76 144.52,196.75 141.75,196.75 ; v3(143.47,208.24) 142.08,206.84 v3(142.08,204.97) 141.75,204.64 141.75,196.75 ; v3(136.27,114.94) 136.27,113.41 132.97,110.11 v3(132.97,102.36) ; 141.75,196.75 135.9,196.75 v3(135.61,197.04)
+3V3: length 587.7
  Top w0.25: 185.09,94.36 FB2.2
  Top w0.3: 180.73,69.23 178.93,69.23 v3(178.56,69.6) 178.31,69.85 C4.1 ; U2.8 166.28,73.5 v3(166.12,73.66) 166.09,73.69 C27.1 ; R10.1 251.43,16.83 250.72,17.53 250.72,19.96 SW1.2 ; v3(193.99,111.63) 193.97,111.61 R200.1 ; 202.13,75.23 v3(203.63,75.23) 203.68,75.18 C14.2 ; 202.13,81.73 203.4,81.73 v3(203.45,81.79) 203.58,81.66 C9.1 ; 177.22,73.66 178.2,73.66 v3(178.39,73.86) 178.77,74.23 180.73,74.23 ; v3(194.22,53.01) 194.65,52.58 195.56,52.58 195.56,50.35 U302.3 ; 204.6,70.23 v3(203.58,70.23) 202.13,70.23 ; v3(220.47,55.63) 220.47,56.87 R8.1 ; v3(202.2,52.93) 202.55,52.58 C305.2 ; 177.22,80.77 178.48,80.77 v3(178.69,80.98) 178.94,80.73 180.73,80.73 ; v3(170.54,82.81) 170.53,82.82 C10.1 ; v3(215.77,111.63) 215.75,111.61 R206.1 ; 180.73,64.23 180.02,64.23 179.82,64.03 179.82,63.74 v3(179.07,62.99) 178.82,62.74 C5.1 ; C106.1 29.72,95.5 R106.1 ; 60.17,121.45 60.17,119.28 C217.2 60.35,117.73 60.33,117.7 ; FB2.2 186.26,94.41 v3(186.31,94.36) ; v3(210.06,52.96) 210.63,52.96 C317.2 211.27,52.32 211.27,50.17 ; v3(171.81,82.36) 171.84,82.39 C12.1 ; C1.1 v3(192.28,86.49) 192.18,86.39 192.18,83.68 ; 193.68,62.28 193.68,58.81 C13.1 193.68,59.44 v3(194.43,60.2) ; v3(172.42,89.54) 172.34,89.62 FB308.2 ; v3(173.6,82.33) 173.57,82.36 C11.1 ; 203.45,50.23 203.45,52.36 ; R204.1 208.45,111.66 v3(208.41,111.7) ; 200.18,62.28 200.74,62.28 v3(202.19,60.83) C7.1 ; R202.1 v3(201.17,111.63) ; 188.18,62.28 188.18,60.54 v3(188.48,60.24) 188.21,59.97 C6.1 ; 199.18,62.28 199.18,60.65 v3(199,60.46) 199.77,59.69 199.77,59.31 C15.2 ; JP1.1 v3(35.31,97.41)
  Top w0.5: C106.1 29.6,96.15 29.85,96.39 v3(29.85,97.41) ; C106.1 28.56,96.15 28.32,96.39 v3(28.32,97.41) ; C106.1 25.79,96.15 24.55,94.91 R104.1 ; v3(31.24,97.41) 31.24,98.17 30.84,98.58 L100.2
  Top w1: v3(58.8,107.44) 59.2,107.84 59.2,116.58 60.35,117.73
  In2.Cu w0.25: v3(186.31,94.36) 191.48,89.19 191.48,86.72 191.71,86.49 v3(192.28,86.49)
  In2.Cu w0.3: 60.33,102.11 60.45,101.99 ; 210.11,55.61 210.46,55.26 210.46,53.36 v3(210.06,52.96) 210.03,52.93 v3(202.2,52.93) 201.87,52.61 194.62,52.61 v3(194.22,53.01) ; 210.11,55.61 210.19,55.63 203.58,62.23 ; 210.11,55.61 211.58,55.63 v3(220.47,55.63) 220.72,55.87 233.95,55.87 242.19,47.62 242.19,38.15 243.05,37.29 243.05,28.51 242.19,27.65 242.19,26.48 243.9,24.76 243.9,23.03 SW1.2 SW1.2 ; v3(199,60.46) 199.14,60.32 199.14,59.94 ; 199.14,59.94 194.69,59.94 v3(194.43,60.2) 192.91,58.67 190.63,58.67 189.1,60.2 ; 199.14,59.94 201.3,59.94 v3(202.19,60.83) 203.58,62.23 ; v3(171.81,82.36) 171.4,81.95 ; v3(179.07,62.99) 161.67,62.99 151.51,73.15 111.38,73.15 85.08,99.45 65.65,99.45 64.26,100.84 60.33,100.84 ; v3(179.07,62.99) 182.25,59.82 188.06,59.82 v3(188.48,60.24) 188.57,60.32 188.9,60.32 189.07,60.16 ; v3(179.07,62.99) 180.6,64.52 180.6,67.56 v3(178.56,69.6) ; 203.58,62.23 v3(203.58,70.23) 203.63,70.28 v3(203.63,75.23) 203.45,75.4 v3(203.45,81.79) 203.45,82.35 201.72,84.09 198.74,84.09 193.64,89.19 191.48,89.19 ; v3(178.56,69.6) 178.39,69.77 v3(178.39,73.86) 178.69,74.15 v3(178.69,80.98) 173.59,80.98 ; v3(178.56,69.6) 177.42,70.74 170.31,70.74 167.79,73.26 166.52,73.26 v3(166.12,73.66) ; 57.28,97.41 57.91,97.41 ; v3(173.6,82.33) 173.6,81 173.59,80.98 ; 173.59,80.98 172.37,80.98 171.4,81.95 ; J2.2 225.43,100.23 223.68,101.98 219.96,101.98 215.77,106.17 v3(215.77,111.63) 208.47,111.63 v3(208.41,111.7) 201.23,111.7 v3(201.17,111.63) v3(193.99,111.63) 193.43,111.63 192.78,110.99 192.78,101.98 186.31,95.5 v3(186.31,94.36) 181.49,89.54 v3(172.42,89.54) 170.54,87.67 v3(170.54,82.81) 171.4,81.95 ; 60.33,104.78 60.57,104.53